# Altium PCB roach2.PcbDoc (part 37 of 39) (continued)
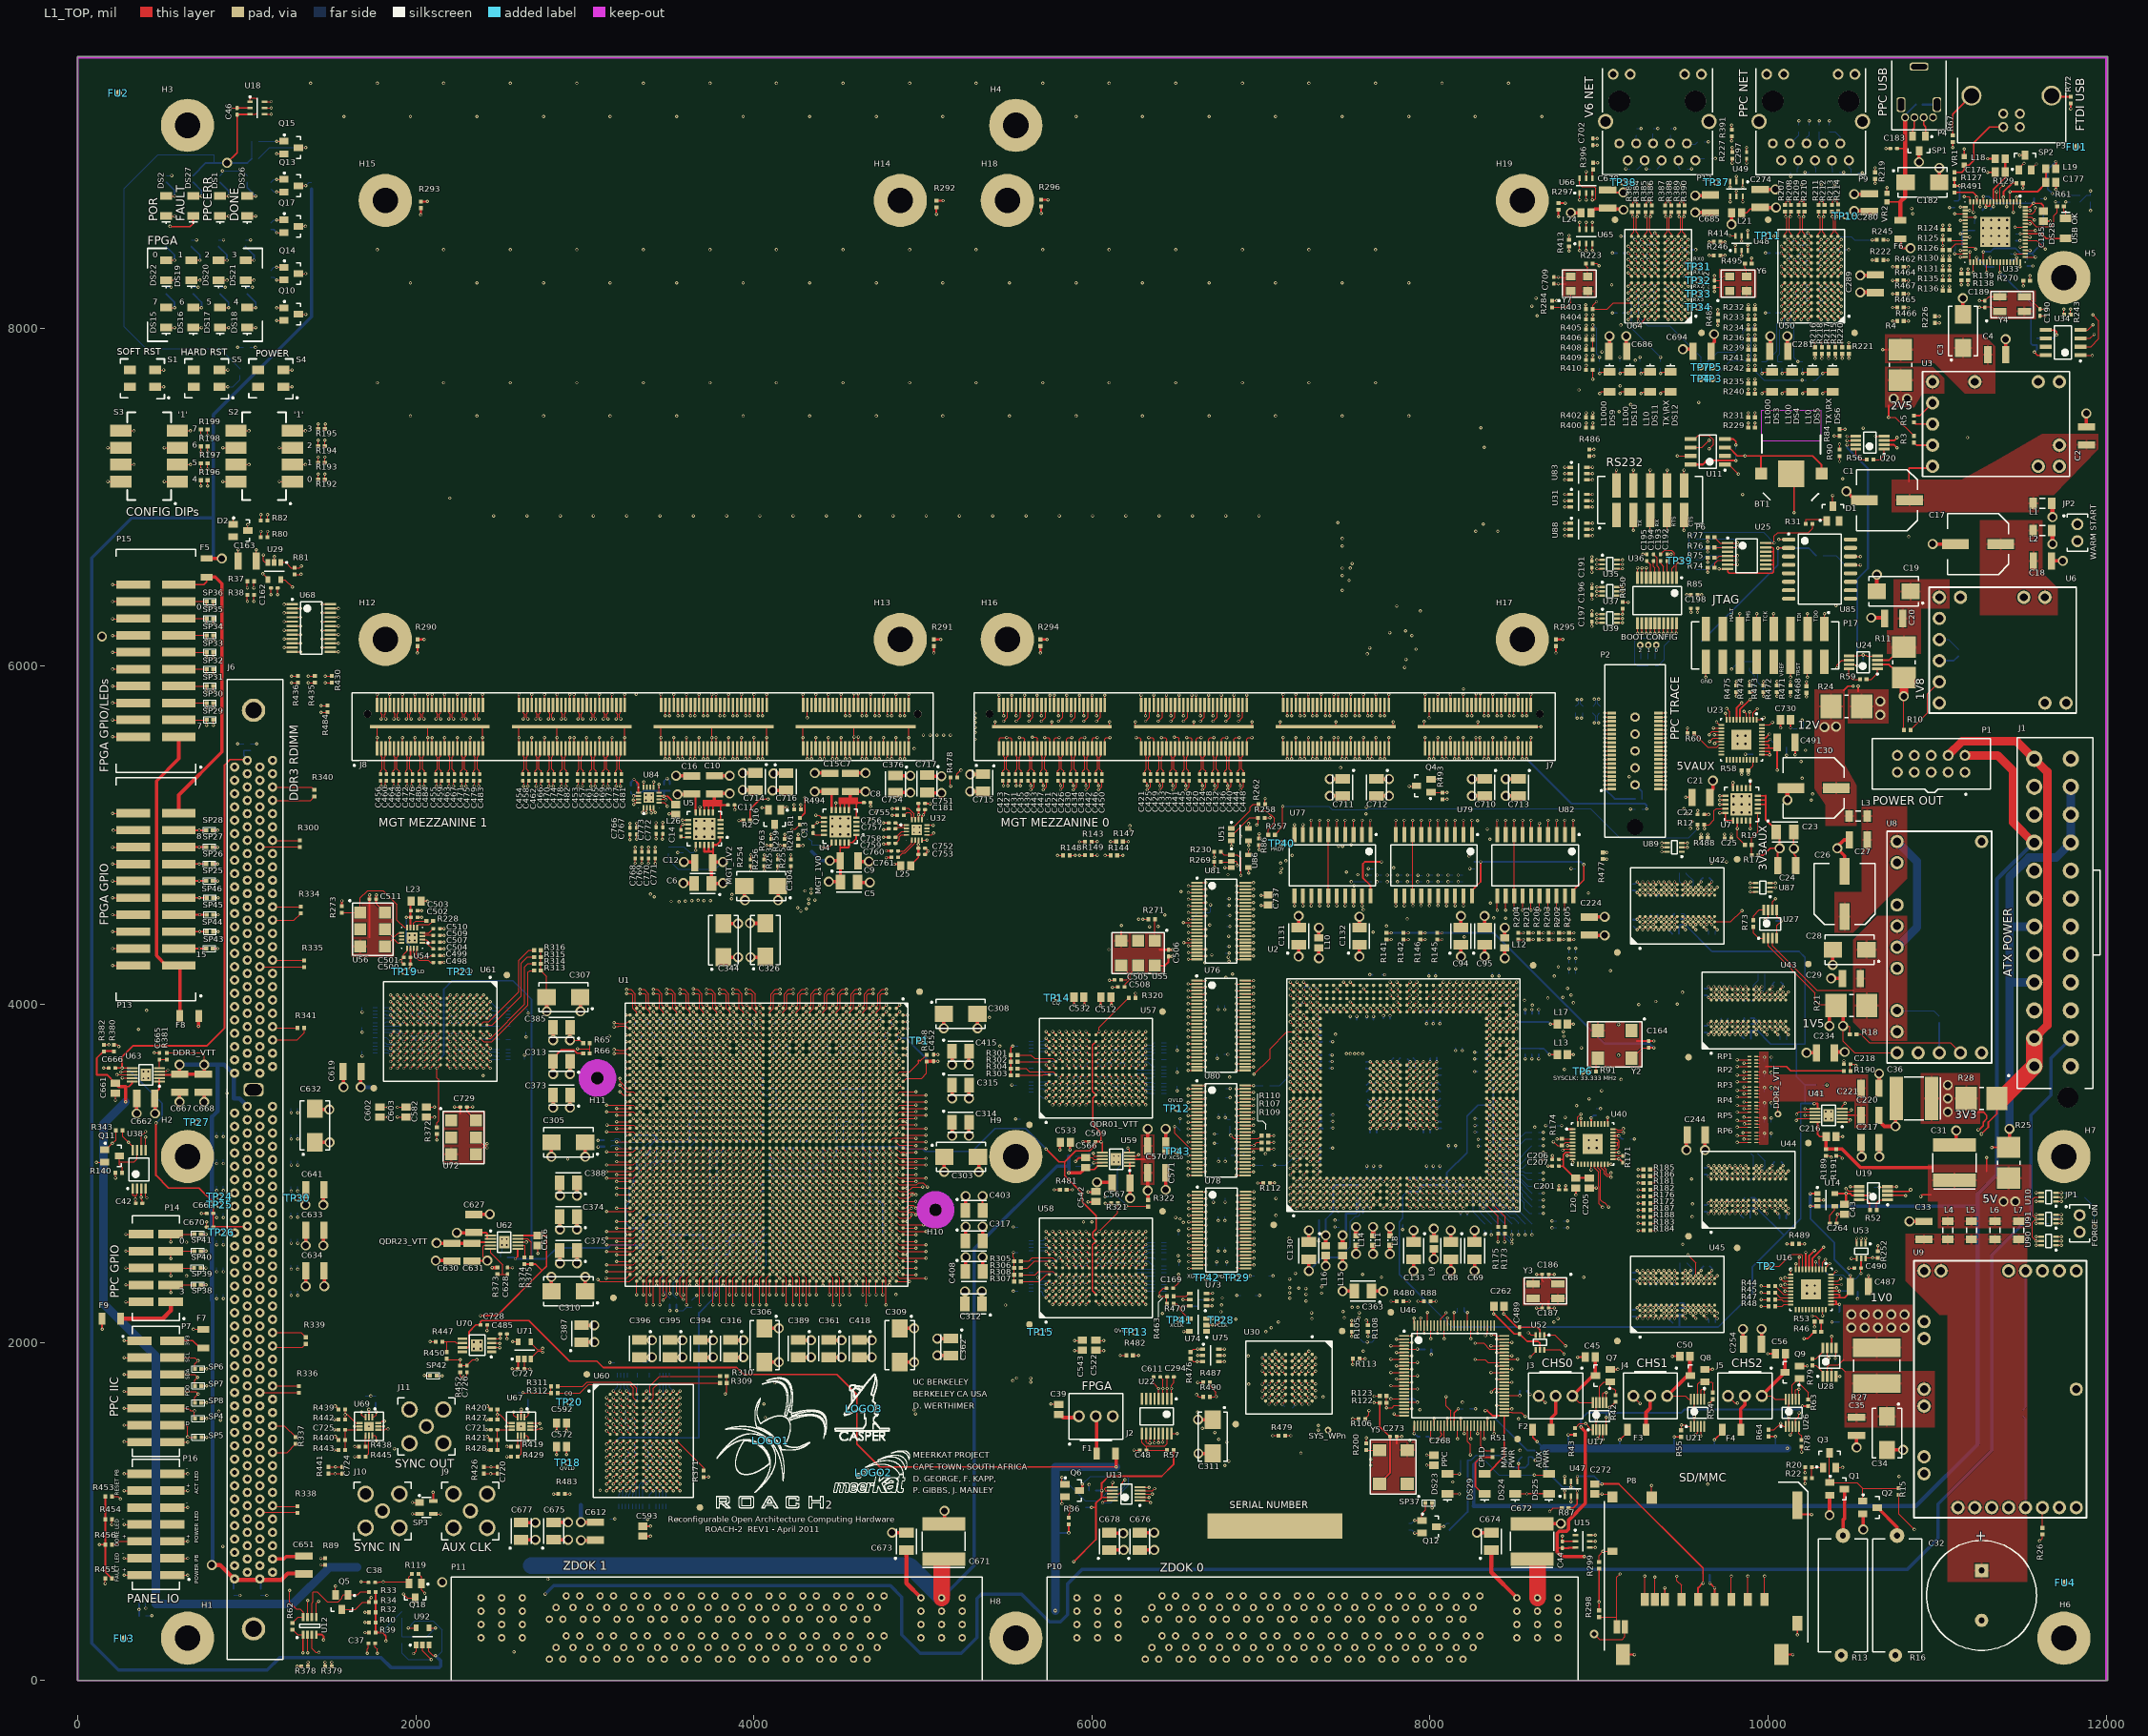
[diagram p0: L1_TOP view]
## Nets (pads, with @x,y where several pads share a name; then routed paths per layer and width w, separated by ;. In a path a pad name is that pad's centre, name@x,y a point inside that pad or via, vN(x,y) a via of type N, cw(c..) or ccw(c..) an arc to the next point about the centre after c; other vN are vias at no path point) (continued)
ZDOK1.CLK1_P: P11.F19 U1.AE30 | length 3349.1
  L1_TOP w5: v1(3916.42,2813.42) U1.AE30@3936.11,2833.11
  L5_S w3.8: v1(3916.42,2813.42) 3916.42,2806.06 3936.49,2785.99 3936.49,2771.29 3949.33,2758.45 4058.31,2758.45 4097.68,2719.08 4115.12,2719.08 4115.49,2718.71 4361.62,2718.71 4372.9,2707.44 4372.9,2347.89 4394.99,2325.79 4394.99,1595.99 4609.99,1380.99 4609.99,1254.99 ccw(c4614.39,1254.99) 4614.39,1250.59 4651.82,1250.59 cw(c4651.82,1237.19) 4665.22,1237.19 cw(c4651.82,1237.19) 4651.82,1223.79 4546.37,1223.79 ccw(c4546.37,1219.39) 4546.37,1214.99 4651.82,1214.99 cw(c4651.82,1201.59) 4665.22,1201.59 cw(c4651.82,1201.59) 4651.82,1188.19 4614.39,1188.19 ccw(c4614.39,1183.79) 4609.99,1183.79 4609.99,546.99 4636.99,519.99 4636.99,493.99 4664.99,465.99 4714.85,465.99 4715.32,466.46 4716.46,466.46 4725.99,475.99 4725.99,488.99 4718.99,495.99 4694.01,495.99 P11.F19@4690,500 ; v1@3917.32,2814.96 v1@3917.64,2814.64
ZDOK1.DP_N0: P11.A2 U1.Y34 | length 3361.2
  L1_TOP w5: U1.Y34@4132.96,2675.63 v1(4152.65,2655.94)
  L3_S w3.8: P11.A2@2870.12,125.98 2865.31,130.79 2865.31,209.53 2846.79,228.05 2846.79,271.56 2970.99,395.76 2970.99,429.96 3032.99,491.96 3032.99,598.99 3315.19,881.19 3564.22,881.19 3800.79,1117.76 3800.79,1297.79 cw(c3805.19,1297.79) 3805.19,1302.19 3849.19,1302.19 ccw(c3849.19,1314.39) 3861.39,1314.39 ccw(c3849.19,1314.39) 3849.19,1326.59 3805.19,1326.59 cw(c3805.19,1330.99) 3800.79,1330.99 3800.79,1470.56 3999.99,1669.76 3999.99,2097.99 4117.36,2215.36 4117.36,2332.86 4137.05,2352.55 4137.05,2640.34 v1(4152.65,2655.94)
ZDOK1.DP_N1: P11.A4 U1.Y37 | length 3392.4
  L1_TOP w5: U1.Y37@4132.96,2557.52 v1(4152.65,2537.83)
  L5_S w3.8: P11.A4@3070.12,125.98 3041.98,125.98 3032.79,116.79 3032.79,79.76 3014.22,61.19 2977.76,61.19 2950.99,87.96 2950.99,149.56 2983.19,181.76 2983.19,213.19 3029.19,259.19 3029.19,367.76 2979.19,417.76 2979.19,447.19 3043.19,511.19 3043.19,756.22 3293.96,1006.99 3588.99,1006.99 4088.99,1506.99 4088.99,2085.12 4168.62,2164.75 4168.62,2263.58 4156.73,2275.47 4156.73,2362.37 4168.25,2373.89 4168.25,2524.67 4153.86,2539.05 v1@4153.54,2539.37
ZDOK1.DP_N2: P11.A6 U1.V35 | length 3412.8
  L1_TOP w5: U1.V35@4211.7,2636.26 v1(4231.39,2616.57)
  L12_S w3.8: P11.A6@3270.12,125.98 3228.77,167.33 3218.55,167.33 3142.37,243.51 3142.37,275.19 3144.99,277.82 3144.99,395.96 3220.99,471.96 3220.99,707.53 3390.66,877.19 3440.99,877.19 ccw(c3440.99,889.39) 3453.19,889.39 3453.19,939.36 cw(c3457.59,939.36) 3461.99,939.36 3461.99,832.42 ccw(c3474.19,832.42) 3486.39,832.42 3486.39,872.79 cw(c3490.79,872.79) 3490.79,877.19 3572.22,877.19 3574.5,879.47 3577.47,882.44 ; 3577.47,882.44 3990.79,1295.76 3990.79,1650.76 4048.79,1708.76 4048.79,2064.61 4137.94,2153.76 4137.94,2210.44 4156.73,2229.23 4156.73,2354.21 4137.05,2373.89 4137.05,2583.67 4146.18,2592.8 4207.62,2592.8 v1(4231.39,2616.57)
ZDOK1.DP_N3: P11.A8 U1.U33 | length 3376.6
  L1_TOP w5: U1.U33@4251.07,2715 v1(4270.76,2695.31)
  L3_S w3.8: P11.A8@3470.12,125.98 3428.77,167.33 3418.55,167.33 3394.79,191.08 3394.79,225.56 3572.99,403.76 3572.99,437.96 3628.99,493.96 3628.99,555.19 3704.99,631.19 3840.22,631.19 4155.28,946.25 4155.28,952.71 4152.51,955.48 4152.51,1305.19 ccw(c4140.31,1305.19) 4140.31,1317.39 4085.24,1317.39 cw(c4085.24,1321.79) 4085.24,1326.19 4211.98,1326.19 ccw(c4211.98,1338.39) 4224.18,1338.39 ccw(c4211.98,1338.39) 4211.98,1350.59 4156.91,1350.59 cw(c4156.91,1354.99) 4152.51,1354.99 4152.51,1485.48 4256.99,1589.96 4266.99,1599.96 4266.99,2146.49 4294.53,2174.03 4294.53,2255.78 4274.84,2275.47 4274.84,2393.58 4255.16,2413.26 4255.16,2679.71 v1(4270.76,2695.31)
ZDOK1.DP_N4: P11.A10 U1.U41 | length 3477.2
  L1_TOP w5: U1.U41@4251.07,2400.04 4270.76,2380.35 v2(4270.76,2222.87)
  L14_S w3.8: 3541.33,167.33 3535.19,161.19 3535.19,93.76 3559.76,69.19 3598.22,69.19 3628.99,99.96 3628.99,108.99 3645.98,125.98 P11.A10@3670.12,125.98 ; 3541.37,167.33 3557.51,183.47 3615.19,241.19 3615.19,265.76 3543.19,337.76 3543.19,403.19 3615.19,475.19 3615.19,559.19 3901.75,845.75 ccw(c3898.64,848.86) 3903.04,848.86 ccw(c3898.64,848.86) 3901.75,851.97 3897.08,856.64 cw(c3905.71,865.27) 3897.08,873.89 cw(c3905.71,865.27) 3914.34,873.89 3919,869.23 ccw(c3922.11,872.34) 3925.23,869.23 4001.99,945.99 4113.6,1057.6 ccw(c4110.49,1060.72) 4114.89,1060.72 ccw(c4110.49,1060.72) 4113.6,1063.83 4094.32,1083.11 cw(c4102.95,1091.74) 4094.32,1100.36 cw(c4102.95,1091.74) 4111.57,1100.36 4183.48,1028.46 ccw(c4186.59,1031.57) 4189.7,1028.46 ccw(c4186.59,1031.57) 4190.99,1031.57 ccw(c4186.59,1031.57) 4189.7,1034.68 4117.79,1106.59 cw(c4126.42,1115.21) 4117.79,1123.84 cw(c4126.42,1115.21) 4135.05,1123.84 4206.95,1051.93 ccw(c4210.06,1055.04) 4213.17,1051.93 ccw(c4210.06,1055.04) 4214.46,1055.04 ccw(c4210.06,1055.04) 4213.17,1058.16 4141.27,1130.06 cw(c4149.9,1138.69) 4141.27,1147.31 cw(c4149.9,1138.69) 4158.52,1147.31 4177.81,1128.03 ccw(c4180.92,1131.14) 4184.03,1128.03 4281.99,1225.99 4285.99,1229.99 4285.99,2249.99 4283.99,2251.99 4274.99,2251.99 4271.65,2248.65 v2@4271.65,2224.41
ZDOK1.DP_N5: P11.A12 U1.T37 | length 3346
  L1_TOP w5: U1.T37@4290.44,2557.52 v1(4310.13,2537.83)
  L12_S w3.8: P11.A12@3870.12,125.98 3857.51,138.59 3857.51,206.3 3832.99,230.82 3832.99,263.96 3919.28,350.25 3919.28,380.71 3892.79,407.19 3892.79,435.19 3854.99,472.99 3854.99,749.96 4309.99,1204.96 4309.99,1387.59 ccw(c4297.79,1387.59) 4297.79,1399.79 4254.99,1399.79 cw(c4254.99,1404.19) 4254.99,1408.59 4321.19,1408.59 ccw(c4321.19,1420.79) 4333.39,1420.79 ccw(c4321.19,1420.79) 4321.19,1432.99 4254.99,1432.99 cw(c4254.99,1437.39) 4254.99,1441.79 4321.19,1441.79 ccw(c4321.19,1453.99) 4333.39,1453.99 ccw(c4321.19,1453.99) 4321.19,1466.19 4254.99,1466.19 cw(c4254.99,1470.59) 4254.99,1474.99 4321.19,1474.99 ccw(c4321.19,1487.19) 4333.39,1487.19 ccw(c4321.19,1487.19) 4321.19,1499.39 4254.99,1499.39 cw(c4254.99,1503.79) 4254.99,1508.19 4321.19,1508.19 ccw(c4321.19,1520.39) 4333.39,1520.39 ccw(c4321.19,1520.39) 4321.19,1532.59 4314.39,1532.59 cw(c4314.39,1536.99) 4309.99,1536.99 4309.99,1890.89 4302.56,1898.32 4302.56,2171.06 4337.49,2205.99 4337.49,2252.18 4314.21,2275.47 4314.21,2393.58 4294.53,2413.26 4294.53,2522.23 v1(4310.13,2537.83)
ZDOK1.DP_N6: P11.A14 U1.R34 | length 3391.4
  L1_TOP w5: U1.R34@4329.81,2675.63 v1(4349.5,2655.94)
  L5_S w3.8: P11.A14@4070.12,125.98 4059.98,125.98 4030.99,96.99 4030.99,84.99 4052.99,62.99 4073.19,62.99 4117.19,106.99 4117.19,143.56 4078.99,181.76 4078.99,203.96 4034.99,247.96 4034.99,272.79 4171.19,408.99 4171.19,445.19 4209.19,483.19 4209.19,637.19 4417.48,845.48 4417.48,1068.59 cw(c4429.68,1068.59) 4429.68,1080.79 4477,1080.79 ccw(c4477,1085.19) 4481.4,1085.19 ccw(c4477,1085.19) 4477,1089.59 4365.75,1089.59 cw(c4365.75,1101.79) 4365.75,1113.99 4477,1113.99 ccw(c4477,1118.39) 4481.4,1118.39 ccw(c4477,1118.39) 4477,1122.79 4429.68,1122.79 cw(c4429.68,1134.99) 4417.48,1134.99 4417.48,1315.48 4293.99,1438.96 4293.99,2087.99 4338.49,2132.49 4338.49,2192.49 4345.41,2199.41 4345.41,2307.07 4325.73,2326.76 4325.73,2632.17 v1(4349.5,2655.94)
ZDOK1.DP_N7: P11.A16 U1.P35 | length 3345.7
  L1_TOP w5: U1.P35@4369.18,2636.26 v1(4388.87,2616.57)
  L12_S w3.8: P11.A16@4270.12,125.98 4228.77,167.33 4218.55,167.33 4202.41,183.47 4202.41,206.3 4216.79,220.68 4216.79,275.19 4178.99,312.99 4166.99,312.99 4142.99,336.99 4142.99,362.79 4084.79,420.99 4084.79,447.19 4044.99,486.99 4044.99,727.96 4404.99,1087.96 4404.99,1233.59 ccw(c4392.79,1233.59) 4392.79,1245.79 4370.24,1245.79 cw(c4370.24,1250.19) 4370.24,1254.59 4426.74,1254.59 ccw(c4426.74,1266.79) 4438.94,1266.79 ccw(c4426.74,1266.79) 4426.74,1278.99 4370.24,1278.99 cw(c4370.24,1283.39) 4370.24,1287.79 4426.74,1287.79 ccw(c4426.74,1299.99) 4438.94,1299.99 ccw(c4426.74,1299.99) 4426.74,1312.19 4370.24,1312.19 cw(c4370.24,1316.59) 4370.24,1320.99 4426.74,1320.99 ccw(c4426.74,1333.19) 4438.94,1333.19 ccw(c4426.74,1333.19) 4426.74,1345.39 4370.24,1345.39 cw(c4370.24,1349.79) 4370.24,1354.19 4426.74,1354.19 ccw(c4426.74,1366.39) 4438.94,1366.39 ccw(c4426.74,1366.39) 4426.74,1378.59 4409.39,1378.59 cw(c4409.39,1382.99) 4404.99,1382.99 4404.99,2129.79 4373.79,2160.99 4373.79,2230.29 4397.56,2254.06 4397.56,2325.91 4373.27,2350.21 4373.27,2600.97 v1(4388.87,2616.57)
ZDOK1.DP_N8: P11.A18 U1.M42 | length 3357.4
  L1_TOP w5: v2(4447.92,2281.93) U1.M42@4447.92,2360.67
  L14_S w3.8: v2@4448.82,2283.46 4448.82,2281.93 4448.82,2257.82 4442.79,2251.79 4431.76,2251.79 4408.19,2228.22 4408.19,2167.76 4469.19,2106.76 4469.19,1398.99 ccw(c4481.39,1398.99) 4481.39,1386.79 4533.99,1386.79 cw(c4533.99,1382.39) 4538.39,1382.39 cw(c4533.99,1382.39) 4533.99,1377.99 4481.39,1377.99 ccw(c4481.39,1365.79) 4481.39,1353.59 4533.99,1353.59 cw(c4533.99,1349.19) 4538.39,1349.19 cw(c4533.99,1349.19) 4533.99,1344.79 4481.39,1344.79 ccw(c4481.39,1332.59) 4481.39,1320.39 4533.99,1320.39 cw(c4533.99,1315.99) 4538.39,1315.99 cw(c4533.99,1315.99) 4533.99,1311.59 4481.39,1311.59 ccw(c4481.39,1299.39) 4481.39,1287.19 4533.99,1287.19 cw(c4533.99,1282.79) 4538.39,1282.79 cw(c4533.99,1282.79) 4533.99,1278.39 4481.39,1278.39 ccw(c4481.39,1266.19) 4481.39,1253.99 4533.99,1253.99 cw(c4533.99,1249.59) 4538.39,1249.59 cw(c4533.99,1249.59) 4533.99,1245.19 4481.39,1245.19 ccw(c4481.39,1232.99) 4481.39,1220.79 4533.99,1220.79 cw(c4533.99,1216.39) 4538.39,1216.39 cw(c4533.99,1216.39) 4533.99,1211.99 4481.39,1211.99 ccw(c4481.39,1199.79) 4469.19,1199.79 4469.19,811.19 4325.19,667.19 4325.19,485.76 4364.99,445.96 4364.99,412.99 4346.99,394.99 4346.99,341.96 4406.99,281.96 4406.99,242.99 4375.19,211.19 4375.19,185.19 4343.19,153.19 4343.19,93.76 4367.76,69.19 4380.22,69.19 4437.01,125.98 P11.A18@4470.12,125.98
ZDOK1.DP_N9: P11.A20 U1.L42 | length 3337.6
  L1_TOP w5: v2(4487.29,2281.93) U1.L42@4487.29,2360.67
  L14_S w3.8: v2@4488.19,2283.46 4488.51,2283.15 4513.66,2257.99 4522.99,2257.99 4533.99,2246.99 4533.99,2172.99 4612.99,2093.99 4612.99,1881.99 4636.99,1857.99 4636.99,1818.99 ccw(c4641.39,1818.99) 4641.39,1814.59 4703.67,1814.59 cw(c4703.67,1802.39) 4715.87,1802.39 cw(c4703.67,1802.39) 4703.67,1790.19 4584.11,1790.19 ccw(c4584.11,1785.79) 4584.11,1781.39 4703.67,1781.39 cw(c4703.67,1769.19) 4715.87,1769.19 cw(c4703.67,1769.19) 4703.67,1756.99 4584.11,1756.99 ccw(c4584.11,1752.59) 4584.11,1748.19 4703.67,1748.19 cw(c4703.67,1735.99) 4715.87,1735.99 cw(c4703.67,1735.99) 4703.67,1723.79 4584.11,1723.79 ccw(c4584.11,1719.39) 4584.11,1714.99 4703.67,1714.99 cw(c4703.67,1702.79) 4715.87,1702.79 cw(c4703.67,1702.79) 4703.67,1690.59 4641.39,1690.59 ccw(c4641.39,1686.19) 4636.99,1686.19 4636.99,490.99 4692.79,435.19 4692.79,403.19 4719.28,376.71 4719.28,344.25 4602.99,227.96 4602.99,206.88 4602.41,206.3 4602.41,183.47 4618.55,167.33 4628.77,167.33 P11.A20@4670.12,125.98
ZDOK1.DP_N10: P11.D2 U1.Y32 | length 3397.2
  L1_TOP w5: U1.Y32@4132.96,2754.37 v1(4152.65,2734.68)
  L3_S w3.8: P11.D2@2870.12,362.2 2841.78,362.2 2838.51,365.48 2838.51,385.48 2865.31,412.28 2865.31,458.67 2850.99,472.99 2850.99,579.96 3282.22,1011.19 3427.99,1011.19 ccw(c3427.99,1023.39) 3440.19,1023.39 3440.19,1069.8 cw(c3444.59,1069.8) 3448.99,1069.8 3448.99,1023.39 ccw(c3461.19,1023.39) 3473.39,1023.39 3473.39,1069.8 cw(c3477.79,1069.8) 3482.19,1069.8 3482.19,1023.39 ccw(c3494.39,1023.39) 3494.39,1011.19 3548.22,1011.19 3666.99,1129.96 3666.99,1552.96 3801.22,1687.19 3801.22,2008.42 3923.49,2130.69 3923.49,2219.49 3959.88,2255.88 3959.88,2317.88 4006.99,2364.99 4031.99,2364.99 4078.49,2411.49 4078.49,2689.49 4099.91,2710.91 4128.88,2710.91 v1(4152.65,2734.68)
ZDOK1.DP_N11: P11.D4 U1.AA39 | length 3396
  L1_TOP w5: U1.AA39@4093.59,2478.78 v1(4113.28,2459.09)
  L14_S w3.8: P11.D4@3070.12,362.2 3013.11,305.19 2945.76,305.19 2923.19,327.76 2923.19,369.19 2961.48,407.48 2961.48,449.48 2917.55,493.4 2917.55,511.41 2917.19,511.77 2917.19,586.22 3161.96,830.99 3476.99,830.99 3607.19,961.19 3607.19,1253.19 3671.99,1317.99 3834.56,1480.56 cw(c3843.19,1471.94) 3851.82,1480.56 3870.69,1461.69 ccw(c3873.8,1464.8) 3876.91,1461.69 ccw(c3873.8,1464.8) 3878.2,1464.8 ccw(c3873.8,1464.8) 3876.91,1467.91 3852.18,1492.65 ; 3838.91,1505.91 cw(c3847.54,1514.54) 3838.91,1523.16 cw(c3847.54,1514.54) 3856.17,1523.16 3869.42,1509.91 3894.16,1485.17 ccw(c3897.28,1488.28) 3900.39,1485.17 ccw(c3897.28,1488.28) 3901.68,1488.28 ccw(c3897.28,1488.28) 3900.39,1491.39 3875.65,1516.13 3862.39,1529.38 cw(c3871.02,1538.01) 3862.39,1546.64 cw(c3871.02,1538.01) 3879.64,1546.64 3892.89,1533.39 3917.64,1508.64 ccw(c3920.75,1511.75) 3923.86,1508.64 ccw(c3920.75,1511.75) 3925.15,1511.75 ccw(c3920.75,1511.75) 3923.86,1514.87 3904.99,1533.74 cw(c3913.62,1542.36) 3904.99,1550.99 3982.99,1628.99 3982.99,2051.99 4114.99,2183.99 4114.99,2258.49 4109.56,2263.92 4109.56,2291.62 4129.25,2311.31 4129.25,2443.12 v1(4113.28,2459.09) ; 3838.92,1505.91 3852.17,1492.66
ZDOK1.DP_N12: P11.D6 U1.W33 | length 3433.8
  L1_TOP w5: U1.W33@4172.33,2715 v1(4192.02,2695.31)
  L3_S w3.8: P11.D6@3270.12,362.2 3229.16,362.2 3201.61,334.65 3154.1,334.65 3134.99,353.76 3134.99,384.79 3165.19,414.99 3165.19,444.42 3305.76,584.99 3480.99,584.99 3954.99,1058.99 3954.99,1224.59 cw(c3967.19,1224.59) 3967.19,1236.79 4012.58,1236.79 ccw(c4012.58,1241.19) 4016.98,1241.19 ccw(c4012.58,1241.19) 4012.58,1245.59 3915.01,1245.59 cw(c3915.01,1257.79) 3915.01,1269.99 4012.58,1269.99 ccw(c4012.58,1274.39) 4016.98,1274.39 ccw(c4012.58,1274.39) 4012.58,1278.79 3967.19,1278.79 cw(c3967.19,1290.99) 3954.99,1290.99 3954.99,1402.99 4166.99,1614.99 4166.99,1676.29 4208.7,1717.99 4218.49,1727.78 4218.49,2202.68 4207.99,2213.18 4207.99,2279.02 4236.69,2307.72 4236.69,2381.32 4207.99,2410.03 4207.99,2679.34 v1(4192.02,2695.31)
ZDOK1.DP_N13: P11.D8 U1.W41 | length 3396.4
  L1_TOP w5: U1.W41@4172.33,2400.04 4192.02,2380.35 v2(4192.02,2222.87)
  L14_S w3.8: P11.D8@3470.12,362.2 3433.23,362.2 3380.22,309.19 3341.76,309.19 3323.19,327.76 3323.19,363.19 3373.19,413.19 3373.19,449.19 3418.99,494.99 3418.99,592.79 3824.09,997.89 ; 3824.24,998.04 3827.19,1000.99 3827.19,1034.19 cw(c3839.39,1034.19) 3839.39,1046.39 3893.31,1046.39 ccw(c3893.31,1050.79) 3897.71,1050.79 ccw(c3893.31,1050.79) 3893.31,1055.19 3796.47,1055.19 cw(c3796.47,1067.39) 3796.47,1079.59 3893.31,1079.59 ccw(c3893.31,1083.99) 3897.71,1083.99 ccw(c3893.31,1083.99) 3893.31,1088.39 3796.47,1088.39 cw(c3796.47,1100.59) 3796.47,1112.79 3893.31,1112.79 ccw(c3893.31,1117.19) 3897.71,1117.19 ccw(c3893.31,1117.19) 3893.31,1121.59 3796.47,1121.59 cw(c3796.47,1133.79) 3796.47,1145.99 3893.31,1145.99 ccw(c3893.31,1150.39) 3897.71,1150.39 ccw(c3893.31,1150.39) 3893.31,1154.79 3839.39,1154.79 cw(c3839.39,1166.99) 3827.19,1166.99 3827.19,1195.19 4208.7,1576.7 4208.7,2208.63 4193.23,2224.09 v2@4192.91,2224.41
ZDOK1.DP_N14: P11.D10 U1.V39 | length 3420.4
  L1_TOP w5: U1.V39@4211.7,2478.78 v1(4231.39,2459.09)
  L9_R w3.8: P11.D10@3670.12,362.2 3670.12,360.12 3613.19,303.19 3553.76,303.19 3530.99,325.96 3530.99,384.79 3575.19,428.99 3575.19,447.19 3617.19,489.19 3617.19,1015.19 3712.7,1110.7 ccw(c3709.59,1113.81) 3713.99,1113.81 ccw(c3709.59,1113.81) 3712.7,1116.92 3670.37,1159.26 ; 3670.36,1159.26 cw(c3678.99,1167.89) 3670.36,1176.52 cw(c3678.99,1167.89) 3687.61,1176.52 ; 3687.62,1176.51 3784.03,1080.1 ccw(c3787.14,1083.21) 3790.25,1080.1 ccw(c3787.14,1083.21) 3791.54,1083.21 ccw(c3787.14,1083.21) 3790.25,1086.32 3693.84,1182.73 cw(c3702.46,1191.37) 3693.84,1199.99 cw(c3702.46,1191.37) 3711.09,1199.99 3807.51,1103.58 ccw(c3810.62,1106.69) 3813.73,1103.58 ccw(c3810.62,1106.69) 3815.02,1106.69 ccw(c3810.62,1106.69) 3813.73,1109.8 3747.67,1175.86 cw(c3756.29,1184.49) 3747.67,1193.11 cw(c3756.29,1184.49) 3764.92,1193.11 3782.77,1175.26 3830.98,1127.05 ccw(c3834.09,1130.16) 3837.2,1127.05 ccw(c3834.09,1130.16) 3838.49,1130.16 ccw(c3834.09,1130.16) 3837.2,1133.27 3794.86,1175.61 cw(c3803.49,1184.24) 3794.86,1192.86 3970.99,1368.99 4199.99,1597.99 4199.99,2161.5 4207.99,2169.49 4207.99,2282.02 4247.36,2321.39 4247.36,2443.12 v1(4231.39,2459.09)
ZDOK1.DP_N15: P11.D12 U1.T36 | length 3405.9
  L1_TOP w5: U1.T36@4290.44,2596.89 v1(4310.13,2577.2)
  L12_S w3.8: P11.D12@3870.12,362.2 3828.77,403.55 3818.55,403.55 3802.41,419.69 3802.41,442.52 3820.99,461.1 3820.99,799.96 4234.99,1213.96 4234.99,1615.59 ccw(c4222.79,1615.59) 4222.79,1627.79 4181.07,1627.79 cw(c4181.07,1632.19) 4181.07,1636.59 4281.63,1636.59 ccw(c4281.63,1648.79) 4293.83,1648.79 ccw(c4281.63,1648.79) 4281.63,1660.99 4181.07,1660.99 cw(c4181.07,1665.39) 4181.07,1669.79 4281.63,1669.79 ccw(c4281.63,1681.99) 4293.83,1681.99 ccw(c4281.63,1681.99) 4281.63,1694.19 4181.07,1694.19 cw(c4181.07,1698.59) 4181.07,1702.99 4281.63,1702.99 ccw(c4281.63,1715.19) 4293.83,1715.19 ccw(c4281.63,1715.19) 4281.63,1727.39 4181.07,1727.39 cw(c4181.07,1731.79) 4181.07,1736.19 4281.63,1736.19 ccw(c4281.63,1748.39) 4293.83,1748.39 ccw(c4281.63,1748.39) 4281.63,1760.59 4239.39,1760.59 cw(c4239.39,1764.99) 4234.99,1764.99 4234.99,1797.96 4273.49,1836.46 4273.49,2175.99 4294.53,2197.03 4294.53,2255.78 4274.84,2275.47 4274.84,2393.58 4255.16,2413.26 4255.16,2544.3 4264.29,2553.43 4286.36,2553.43 v1(4310.13,2577.2)
ZDOK1.DP_N16: P11.D14 U1.T42 | length 3322.9
  L1_TOP w5: v2(4290.44,2281.93) U1.T42@4290.44,2360.67
  L14_S w3.8: 4047.93,937.46 4140.98,844.41 cw(c4132.36,835.78) 4144.56,835.78 cw(c4132.36,835.78) 4140.98,827.15 cw(c4132.36,835.78) 4123.73,827.15 4030.67,920.21 ccw(c4027.56,917.1) 4024.45,920.22 ccw(c4027.56,917.1) 4024.45,913.99 4065.1,873.34 cw(c4056.48,864.71) 4068.68,864.71 cw(c4056.48,864.71) 4065.11,856.08 4036.99,827.96 4036.99,463.04 4070.12,429.91 P11.D14@4070.12,362.2 ; 4047.92,937.47 cw(c4051.03,940.58) 4047.92,943.69 cw(c4051.03,940.58) 4054.14,943.69 4147.2,850.63 ccw(c4155.83,859.26) 4164.46,850.63 ccw(c4155.83,859.26) 4168.03,859.26 ccw(c4155.83,859.26) 4164.46,867.88 4071.4,960.94 cw(c4074.51,964.05) 4071.4,967.17 cw(c4074.51,964.05) 4077.62,967.17 4170.68,874.11 ccw(c4179.31,882.73) 4187.93,874.1 ccw(c4179.31,882.73) 4191.51,882.73 ccw(c4179.31,882.73) 4187.93,891.36 4094.88,984.41 ; 4094.87,984.42 cw(c4097.98,987.53) 4094.87,990.64 cw(c4097.98,987.53) 4101.09,990.64 4194.16,897.58 ccw(c4202.78,906.21) 4211.41,897.58 ccw(c4202.78,906.21) 4214.98,906.21 ccw(c4202.78,906.21) 4211.41,914.83 4170.75,955.49 cw(c4173.86,958.61) 4170.75,961.72 4381.22,1172.19 4381.22,2044.16 4348.39,2076.99 4348.39,2170.39 4349.99,2171.99 4349.99,2235.99 4323.99,2261.99 4312.81,2261.99 4291.66,2283.15 v2@4291.34,2283.46
ZDOK1.DP_N17: P11.D16 U1.P38 | length 3415.6
  L1_TOP w5: U1.P38@4369.18,2518.15 v1(4388.87,2498.46)
  L9_R w3.8: P11.D16@4270.12,362.2 4228.77,403.55 4218.55,403.55 4202.41,419.69 4202.41,482.49 4205.28,485.36 4205.28,514.64 4202.41,517.51 4202.41,1033.38 4279.5,1110.47 4341.14,1172.11 cw(c4344.25,1169) 4347.36,1172.11 4391.73,1127.74 ccw(c4400.36,1136.36) 4408.98,1127.74 ccw(c4400.36,1136.36) 4412.55,1136.36 ccw(c4400.36,1136.36) 4408.98,1144.99 4308.51,1245.47 cw(c4311.62,1248.58) 4308.51,1251.69 cw(c4311.62,1248.58) 4314.73,1251.69 4364.96,1201.46 ; 4364.97,1201.45 4415.2,1151.21 ccw(c4423.83,1159.84) 4432.46,1151.21 ccw(c4423.83,1159.84) 4436.03,1159.84 ccw(c4423.83,1159.84) 4432.46,1168.47 ; v1(4388.87,2498.46) 4373.27,2482.86 4373.27,2373.89 4392.58,2354.58 4392.58,2239.08 4373.79,2220.29 4373.79,2156.99 4455.99,2074.79 4455.99,1286.96 4435.04,1266.01 ccw(c4438.15,1262.9) 4435.04,1259.78 4479.4,1215.42 ; 4432.45,1168.47 4331.98,1268.94 cw(c4335.09,1272.05) 4331.98,1275.16 cw(c4335.09,1272.05) 4338.2,1275.16 4438.67,1174.69 ccw(c4447.31,1183.31) 4455.93,1174.69 ccw(c4447.31,1183.31) 4459.51,1183.31 ccw(c4447.31,1183.31) 4455.93,1191.94 4355.46,1292.42 cw(c4358.57,1295.53) 4355.46,1298.64 cw(c4358.57,1295.53) 4361.68,1298.64 4462.15,1198.17 ; 4462.15,1198.16 ccw(c4470.78,1206.79) 4479.41,1198.16 ccw(c4470.78,1206.79) 4482.98,1206.79 ccw(c4470.78,1206.79) 4479.41,1215.42
ZDOK1.DP_N18: P11.D18 U1.N31 | length 3350.9
  L1_TOP w5: U1.N31@4408.55,2793.74 v1(4428.24,2774.05)
  L5_S w3.8: v1(4428.24,2774.05) 4404.47,2750.28 4404.47,2363.13 4425.05,2342.55 4425.05,2331.42 4414.49,2320.86 4414.49,1674.46 4684.99,1403.96 4684.99,1364.99 ccw(c4697.19,1364.99) 4697.19,1352.79 4740.43,1352.79 cw(c4740.43,1348.39) 4744.83,1348.39 cw(c4740.43,1348.39) 4740.43,1343.99 4650.15,1343.99 ccw(c4650.15,1331.79) 4650.15,1319.59 4740.43,1319.59 cw(c4740.43,1315.19) 4744.83,1315.19 cw(c4740.43,1315.19) 4740.43,1310.79 4697.19,1310.79 ccw(c4697.19,1298.59) 4684.99,1298.59 4684.99,659.96 4800.99,543.96 4800.99,408.99 4706.99,314.99 4438.99,314.99 4434.99,318.99 4434.99,336.99 4460.2,362.2 P11.D18@4470.12,362.2
ZDOK1.DP_N19: P11.D20 U1.N41 | length 3393.5
  L1_TOP w5: U1.N41@4408.55,2400.04 v1(4428.24,2380.35)
  L14_S w3.8: v1(4428.24,2380.35) 4463.52,2345.07 4463.52,2249.02 4483.21,2229.34 4483.21,2147.55 4555.19,2075.56 4555.19,1644.99 ccw(c4567.39,1644.99) 4567.39,1632.79 4605.4,1632.79 cw(c4605.4,1628.39) 4609.8,1628.39 cw(c4605.4,1628.39) 4605.4,1623.99 4500.78,1623.99 ccw(c4500.78,1611.79) 4500.78,1599.59 4605.4,1599.59 cw(c4605.4,1595.19) 4609.8,1595.19 cw(c4605.4,1595.19) 4605.4,1590.79 4500.78,1590.79 ccw(c4500.78,1578.59) 4500.78,1566.39 4605.4,1566.39 cw(c4605.4,1561.99) 4609.8,1561.99 cw(c4605.4,1561.99) 4605.4,1557.59 4500.78,1557.59 ccw(c4500.78,1545.39) 4500.78,1533.19 4605.4,1533.19 cw(c4605.4,1528.79) 4609.8,1528.79 cw(c4605.4,1528.79) 4605.4,1524.39 4500.78,1524.39 ccw(c4500.78,1512.19) 4500.78,1499.99 4605.4,1499.99 cw(c4605.4,1495.59) 4609.8,1495.59 cw(c4605.4,1495.59) 4605.4,1491.19 4567.39,1491.19 ccw(c4567.39,1478.99) 4555.19,1478.99 4555.19,743.19 4421.19,609.19 4421.19,499.76 4484.99,435.96 4484.99,397.96 4569.76,313.19 4592.22,313.19 4641.23,362.2 P11.D20@4670.12,362.2 ; v1@4429.13,2381.89 v1@4429.45,2381.57
ZDOK1.DP_N20: P11.C2 U1.Y35 | length 3403
  L1_TOP w5: U1.Y35@4132.96,2636.26 v1(4152.65,2616.57)
  L12_S w3.8: P11.C2@2969.92,263.78 2928.99,304.71 2928.99,393.1 2902.41,419.69 2902.41,442.52 2928.99,469.1 2928.99,635.19 3302.99,1009.19 3478.59,1009.19 cw(c3478.59,1004.79) 3482.99,1004.79 3482.99,961.46 ccw(c3495.19,961.46) 3507.39,961.46 3507.39,1064.72 cw(c3511.79,1064.72) 3516.19,1064.72 3516.19,989.11 ccw(c3528.39,989.11) 3540.59,989.11 3540.59,1004.79 cw(c3544.99,1004.79) 3544.99,1009.19 3592.22,1009.19 3933.51,1350.48 3933.51,1833.48 4019.83,1919.8 4033.19,1933.16 4033.19,2133.69 4117.36,2217.86 4117.36,2380.62 4097.68,2400.31 4097.68,2587.18 4111.47,2600.97 4119.74,2600.97 4135.34,2616.57 v1(4152.65,2616.57)
ZDOK1.DP_N21: P11.C4 U1.Y33 | length 3397
  L1_TOP w5: U1.Y33@4132.96,2715 v1(4152.65,2695.31)
  L3_S w3.8: P11.C4@3169.92,263.78 3128.97,263.78 3090.38,225.19 3045.76,225.19 3023.19,247.76 3023.19,373.19 3063.48,413.48 3063.48,449.48 3054.65,458.31 3054.65,529.68 3135.76,610.79 3183.56,610.79 3385.76,812.99 3588.99,812.99 3827.99,1051.99 3866.23,1090.23 3869.19,1093.19 3869.19,1155.79 cw(c3881.39,1155.79) 3881.39,1167.99 3912.82,1167.99 ccw(c3912.82,1172.39) 3917.22,1172.39 ccw(c3912.82,1172.39) 3912.82,1176.79 3881.39,1176.79 cw(c3881.39,1188.99) 3869.19,1188.99 3869.19,1458.42 4007.76,1596.99 4062.99,1596.99 4096.71,1630.71 4096.71,2160.74 4148.93,2212.96 4148.93,2302.46 4168.62,2322.15 4168.62,2679.34 v1(4152.65,2695.31)
ZDOK1.DP_N22: P11.C6 U1.V36 | length 3382.2
  L1_TOP w5: U1.V36@4211.7,2596.89 v1(4231.39,2577.2)
  L12_S w3.8: P11.C6@3369.92,263.78 3357.51,276.19 3357.51,408.66 3365.31,416.46 3365.31,445.75 3342.37,468.69 3342.37,685.34 3448.22,791.19 3610.22,791.19 4042.99,1223.96 4042.99,1325.39 cw(c4047.39,1325.39) 4047.39,1329.79 4103.87,1329.79 ccw(c4103.87,1341.99) 4116.07,1341.99 ccw(c4103.87,1341.99) 4103.87,1354.19 4017.71,1354.19 cw(c4017.71,1358.59) 4017.71,1362.99 4103.87,1362.99 ccw(c4103.87,1375.19) 4116.07,1375.19 ccw(c4103.87,1375.19) 4103.87,1387.39 4017.71,1387.39 cw(c4017.71,1391.79) 4017.71,1396.19 4103.87,1396.19 ccw(c4103.87,1408.39) 4116.07,1408.39 ccw(c4103.87,1408.39) 4103.87,1420.59 4047.39,1420.59 cw(c4047.39,1424.99) 4042.99,1424.99 4042.99,1559.96 4102.51,1619.48 4102.51,1955.48 4191.22,2044.19 4191.22,2134.72 4215.79,2159.29 4215.79,2310.84 4196.1,2330.52 4196.1,2393.58 4176.42,2413.26 4176.42,2544.3 4185.55,2553.43 4207.62,2553.43 v1(4231.39,2577.2)
ZDOK1.DP_N23: P11.C8 U1.W40 | length 3420
  L1_TOP w5: U1.W40@4172.33,2439.41 v1(4192.02,2419.72)
  L14_S w3.8: P11.C8@3569.92,263.78 3539.78,263.78 3495.19,219.19 3459.76,219.19 3429.19,249.76 3429.19,277.19 3497.67,345.67 3497.67,373.62 3485.19,386.1 3485.19,447.19 3521.19,483.19 3521.19,557.19 3806.99,842.99 3967.83,1003.83 ccw(c3964.72,1006.94) 3969.12,1006.94 ccw(c3964.72,1006.94) 3967.83,1010.05 3925.94,1051.94 cw(c3934.56,1060.57) 3925.94,1069.2 cw(c3934.56,1060.57) 3943.19,1069.2 3990.95,1021.44 4017.11,995.27 ccw(c4020.23,998.38) 4023.34,995.27 ccw(c4020.23,998.38) 4024.63,998.38 ccw(c4020.23,998.38) 4023.34,1001.49 3949.41,1075.42 cw(c3958.04,1084.05) 3949.41,1092.67 cw(c3958.04,1084.05) 3966.66,1092.67 4040.59,1018.75 ccw(c4043.7,1021.86) 4046.81,1018.75 ccw(c4043.7,1021.86) 4048.1,1021.86 ccw(c4043.7,1021.86) 4046.81,1024.97 3972.89,1098.89 cw(c3981.51,1107.52) 3972.89,1116.15 cw(c3981.51,1107.52) 3990.14,1116.15 4064.06,1042.22 ccw(c4067.18,1045.33) 4070.29,1042.22 ccw(c4067.18,1045.33) 4071.58,1045.33 ccw(c4067.18,1045.33) 4070.29,1048.45 4049.99,1068.74 cw(c4058.62,1077.37) 4049.99,1085.99 4246.99,1282.99 4246.99,2229.34 4227.3,2249.02 4227.3,2384.44 v1(4192.02,2419.72) ; v1@4192.91,2419.72 v1@4192.91,2421.26
ZDOK1.DP_N24: P11.C10 U1.U38 | length 3375.8
  L1_TOP w5: U1.U38@4251.07,2518.15 v1(4270.76,2498.46)
  L9_R w3.8: P11.C10@3769.92,263.78 3756.81,263.78 3712.22,219.19 3657.76,219.19 3646.99,229.96 3646.99,306.8 3674.85,334.65 3681.53,334.65 3697.67,350.79 3697.67,402.36 3643.19,456.84 3643.19,596.99 cw(c3655.39,596.99) 3655.39,609.19 3705.58,609.19 ccw(c3705.58,613.59) 3709.98,613.59 ccw(c3705.58,613.59) 3705.58,617.99 3655.39,617.99 cw(c3655.39,630.19) 3655.39,642.39 3705.58,642.39 ccw(c3705.58,646.79) 3709.98,646.79 ccw(c3705.58,646.79) 3705.58,651.19 3655.39,651.19 cw(c3655.39,663.39) 3655.39,675.59 3705.58,675.59 ccw(c3705.58,679.99) 3709.98,679.99 ccw(c3705.58,679.99) 3705.58,684.39 3655.39,684.39 cw(c3655.39,696.59) 3655.39,708.79 3705.58,708.79 ccw(c3705.58,713.19) 3709.98,713.19 ccw(c3705.58,713.19) 3705.58,717.59 3655.39,717.59 cw(c3655.39,729.79) 3655.39,741.99 3705.58,741.99 ccw(c3705.58,746.39) 3709.98,746.39 ccw(c3705.58,746.39) 3705.58,750.79 3655.39,750.79 cw(c3655.39,762.99) 3643.19,762.99 3643.19,825.19 4283.71,1465.71 4283.71,2148.71 4286.36,2151.36 4286.36,2232.39 4306.41,2252.44 4306.41,2390.35 4286.73,2410.03 4286.73,2482.49 v1(4270.76,2498.46)
ZDOK1.DP_N25: P11.C12 U1.R38 | length 3392
  L1_TOP w5: U1.R38@4329.81,2518.15 v1(4349.5,2498.46)
  L12_S w3.8: P11.C12@3969.92,263.78 3952.51,281.19 3952.51,389.48 3965.31,402.28 3965.31,454.67 3932.99,486.99 3932.99,711.96 4348.99,1127.96 4348.99,1556.79 ccw(c4336.79,1556.79) 4336.79,1568.99 4330.19,1568.99 cw(c4330.19,1573.39) 4330.19,1577.79 4375.91,1577.79 ccw(c4375.91,1589.99) 4388.11,1589.99 ccw(c4375.91,1589.99) 4375.91,1602.19 4330.19,1602.19 cw(c4330.19,1606.59) 4330.19,1610.99 4375.91,1610.99 ccw(c4375.91,1623.19) 4388.11,1623.19 ccw(c4375.91,1623.19) 4375.91,1635.39 4330.19,1635.39 cw(c4330.19,1639.79) 4330.19,1644.19 4375.91,1644.19 ccw(c4375.91,1656.39) 4388.11,1656.39 ccw(c4375.91,1656.39) 4375.91,1668.59 4330.19,1668.59 cw(c4330.19,1672.99) 4330.19,1677.39 4375.91,1677.39 ccw(c4375.91,1689.59) 4388.11,1689.59 ccw(c4375.91,1689.59) 4375.91,1701.79 4330.19,1701.79 cw(c4330.19,1706.19) 4330.19,1710.59 4375.91,1710.59 ccw(c4375.91,1722.79) 4388.11,1722.79 ccw(c4375.91,1722.79) 4375.91,1734.99 4330.19,1734.99 cw(c4330.19,1739.39) 4330.19,1743.79 4375.91,1743.79 ccw(c4375.91,1755.99) 4388.11,1755.99 ccw(c4375.91,1755.99) 4375.91,1768.19 4330.19,1768.19 cw(c4330.19,1772.59) 4330.19,1776.99 4375.91,1776.99 ccw(c4375.91,1789.19) 4388.11,1789.19 ccw(c4375.91,1789.19) 4375.91,1801.39 4330.19,1801.39 cw(c4330.19,1805.79) 4330.19,1810.19 4375.91,1810.19 ccw(c4375.91,1822.39) 4388.11,1822.39 ccw(c4375.91,1822.39) 4375.91,1834.59 4353.39,1834.59 cw(c4353.39,1838.99) 4348.99,1838.99 4348.99,1862.86 4381.22,1895.09 4381.22,2094.2 4334.42,2140.99 4334.42,2170.92 4353.58,2190.08 4353.58,2354.21 4333.9,2373.89 4333.9,2482.86 v1(4349.5,2498.46)